# Altium PCB PCB2.PcbDoc
Units mil, origin at the board's own origin, x right, y up, seen from the top; angles counter-clockwise.
Board outline 6000 x 4000 mil, 2 copper layers (Top Layer, Bottom Layer); 18 components, 53 nets, 190 pads, 22 vias.
Unrouted connection lines stored in the file: 43.
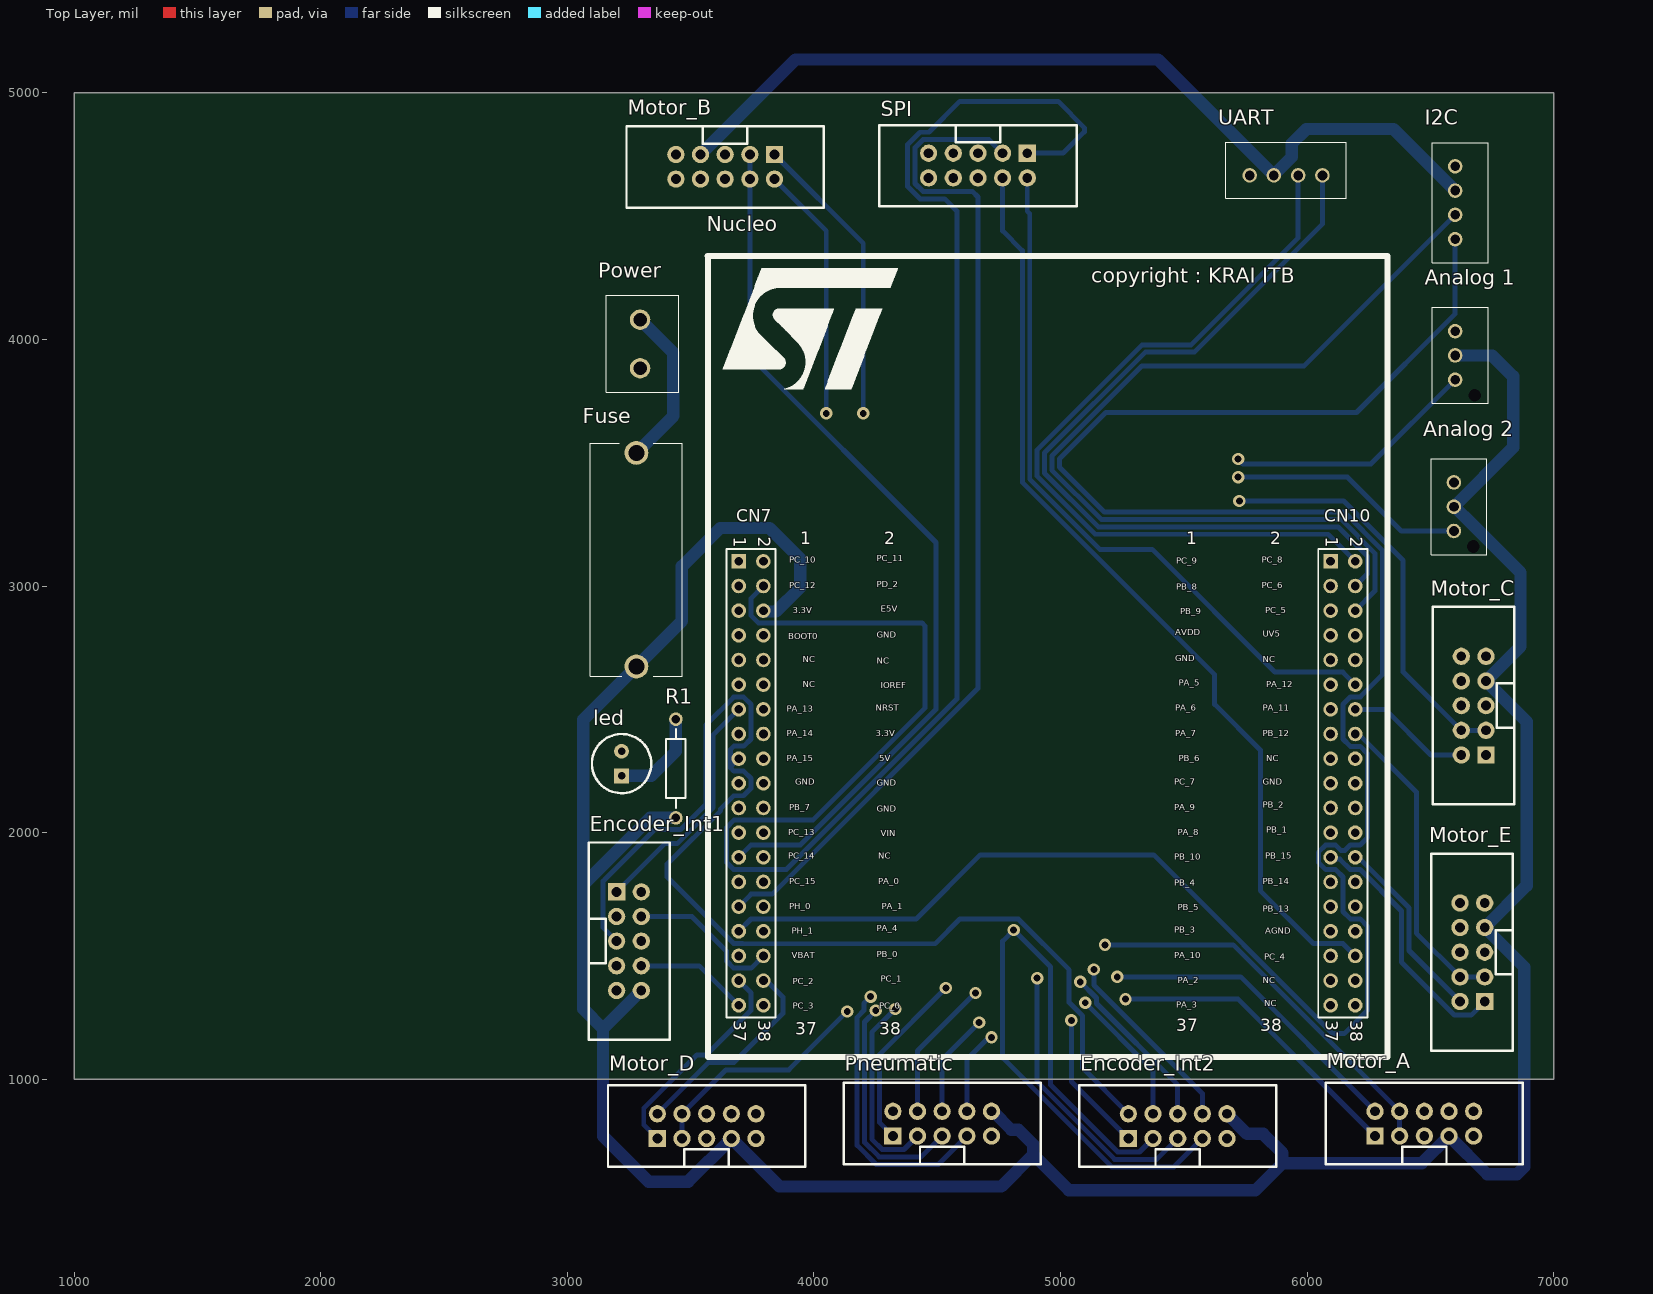
[diagram p0: Top Layer view]
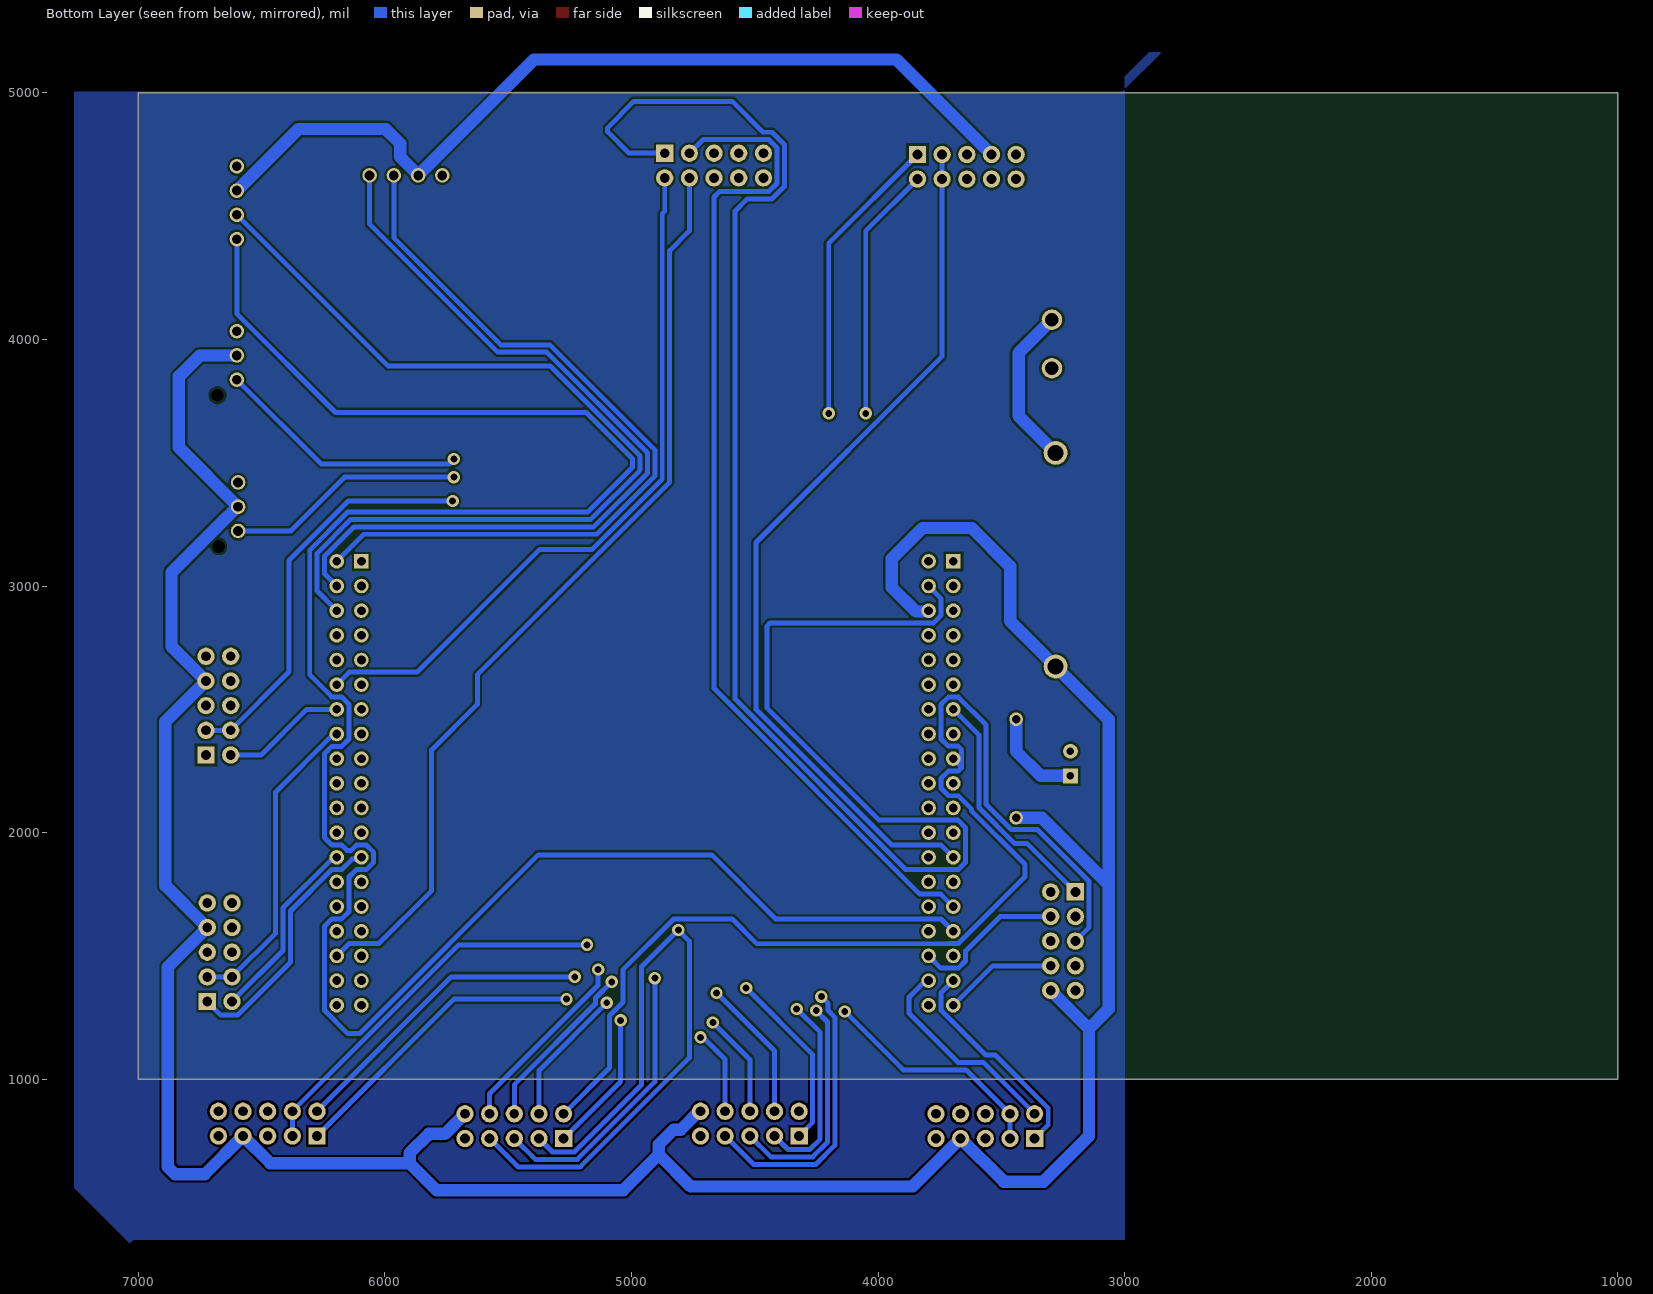
[diagram p1: Bottom Layer view, seen from below]

## Layer stack, top to bottom
Top Solder: solder mask 0.4, Solder Resist, Dk 3.5
Top Layer: signal copper 1.4
Dielectric 1: dielectric 12.6, FR-4, Dk 4.8
Bottom Layer: signal copper 1.4
Bottom Solder: solder mask 0.4, Solder Resist, Dk 3.5

## Board outline
1000,1000 7000,1000 7000,5000 1000,5000

## Design rules (kind name [scope] priority, off if disabled: settings)
Clearance [All] p1: gap=10 ignorepadtopadclearanceinfootprint=FALSE except(0: Arc-Hole Track-Hole SMDPad-Hole THPad-Hole Via-Hole Fill-Hole Poly-Hole Region-Hole Text-Hole)
PolygonConnect [All] p1: connectstyle=Relief reliefconductorwidth=10 reliefentries=4 polygonreliefangle="90 Angle" airgapwidth=10
RoomDefinition "Schematic Tugas 1_Magang 2" [InComponentClass('Schematic Tugas 1_Magang 2')] p1: confinementstyle=ConfineIn formatcopy=TRUE lockcomponents=FALSE outline 2805,270 7260,270 7260,5150 2805,5150
RoutingVias [All] p1: holewidth=28 width=50 viastyle="Through Hole" minholewidth=28 minwidth=50 maxholewidth=28 maxwidth=50
SolderMaskExpansion [All] p1: expansion=4 istentingtop=FALSE
Width [All] p1: maxlimit=50 minlimit=10 preferedwidth=20 toplayer_maxwidth=10 toplayer_prefwidth=10 minimp=50.000000 maximp=50.000000 favimp=50.000000
30 further rules are at their usual default settings.

## Components (designator, comment, footprint, x,y, rotation, side; value= is the part's Value field where it differs from the comment)
"Analog 1" "B3B-XH-AM_LF__SN_" B3BXHAMLFSN 6600,4033.43 r270 top
"Analog 2" "B3B-XH-AM_LF__SN_" B3BXHAMLFSN 6595,3420 r270 top
Encoder_Int1 "Header ISP" "Header ISP" 3100,1660 r270 top
Encoder_Int2 "Header ISP" "Header ISP" 5375,660 r0 top
Fuse "C3131" C3131 3280,2673.86 r90 top
I2C "B4B-XH-A_LF__SN_" B4BXHALFSN 6600,4701.85 r270 top
led "LED 5mm" "LED 5mm" 3220,2280 r90 top
Motor_A "Header ISP" "Header ISP" 6375,670 r0 top
Motor_B "Header ISP" "Header ISP" 3740,4850 r180 top
Motor_C "Header ISP" "Header ISP" 6825,2415 r90 top
Motor_D "Header ISP" "Header ISP" 3465,660 r0 top
Motor_E "Header ISP" "Header ISP" 6820,1415 r90 top
Nucleo "Shield Nucleo F446RE/F401RE no Pinout" "Shield Nucleo-F446RE/F401RE-tanpaPinOut" 4970,2550 r0 top
Pneumatic "Header ISP" "Header ISP" 4420,670 r0 top
Power "KF301-2P" KF3012P 3295,4080 r270 top
R1 "Resistor 0.25W" "Resistor 0.25W" 3440,2260 r90 top
SPI "Header ISP" "Header ISP" 4765,4855 r180 top
UART "B4B-XH-A_LF__SN_" B4BXHALFSN 5766.57,4665 r0 top

## Footprints (in the part's own frame and the unit in brackets; to place one, negate y for a bottom-side part, rotate by r counter-clockwise, add the part's x,y. Pads: shape width x height; smd on the part's side, far side on the other; paste and mask are expansions set on the pad)
B3BXHAMLFSN [mm]
  round 1.5 hole 1: 1(0,0) 2(2.5,0) 3(5,0)
  round 0.65 hole 1.3 unplated: 4(6.6,2)
  silkscreen extent -2.45,-2.35 7.45,3.4, body extent -2.45,-2.35 7.45,3.4, height 7.1
B4BXHALFSN [mm]
  round 1.5 hole 1: 1(0,0) 2(2.5,0) 3(5,0) 4(7.5,0)
  silkscreen extent -2.45,-2.35 9.95,3.4, body extent -2.45,-2.35 9.95,3.4, height 7.52
C3131 [mm]
  round 2.46 hole 1.64: 1(0,0) 2(22,0)
  silkscreen extent -1,-4.75 23,4.75, body extent -1,-4.75 23,4.75, height 10.6
"Header ISP" [mil]
  rect 70x70 hole 40: 1(-100,100)
  round 70 hole 40: 2(-100,200) 3(0,100) 4(0,200) 5(100,100) 6(100,200) 7(200,100) 8(200,200) 9(300,100) 10(300,200)
  silkscreen extent -300,-14 500,316, body extent -300,-20 501,334, height 365
KF3012P [mm]
  round 2.1 hole 1.4: 1(0,0) 2(5,0)
  silkscreen extent -2.5,-3.5 7.5,4, body extent -2.99,-3.35 7.51,4.15, height 10
"LED 5mm" [mil]
  rect 60x60 hole 30: 1(-50,0)
  round 60 hole 30: 2(50,0)
  silkscreen extent -120,-120 120,120, body extent -117,-118 96,118, height 268
"Resistor 0.25W" [mm]
  round 1.4 hole 0.85: 1(-5.08,0) 2(5.08,0)
  silkscreen extent -4.06,-1.02 4.06,1.02, body extent -5.35,-1.27 5.35,1.33, height 2.7
"Shield Nucleo-F446RE/F401RE-tanpaPinOut" [mm] "Tanpa pin out"
  round 1.5 hole 0.9: 3.3V(-32.385,8.89) 3V3(-29.845,-3.81) 5V(-29.845,-6.35) AGND(31.115,-24.13) AVDD(28.575,6.35) BOOT0(-32.385,6.35) E5V(-29.845,8.89) GND(-29.845,6.35) GND1(-32.385,-8.89) GND2(-29.845,-8.89) GND3(-29.845,-11.43) GND4(28.575,3.81) GND5(31.115,-8.89) IOREF(-29.845,1.27) NC1(-32.385,3.81) NC2(-32.385,1.27) NC3(-29.845,3.81) NC4(-29.845,-16.51) NC5(31.115,3.81) NC6(31.115,-6.35) NC7(31.115,-29.21) NC8(31.115,-31.75) NRST(-29.845,-1.27) PA_0(-29.845,-19.05) PA_1(-29.845,-21.59) PA_2(28.575,-29.21) PA_3(28.575,-31.75) PA_4(-29.845,-24.13) PA_5(28.575,1.27) PA_6(28.575,-1.27) PA_7(28.575,-3.81) PA_8(28.575,-13.97) PA_9(28.575,-11.43) PA_10(28.575,-26.67) PA_11(31.115,-1.27) PA_12(31.115,1.27) PA_13(-32.385,-1.27) PA_14(-32.385,-3.81) PA_15(-32.385,-6.35) PB_0(-29.845,-26.67) PB_1(31.115,-13.97) PB_2(31.115,-11.43) PB_3(28.575,-24.13) PB_4(28.575,-19.05) PB_5(28.575,-21.59) PB_6(28.575,-6.35) PB_7(-32.385,-11.43) PB_8(28.575,11.43) PB_9(28.575,8.89) PB_10(28.575,-16.51) PB_12(31.115,-3.81) PB_13(31.115,-21.59) PB_14(31.115,-19.05) PB_15(31.115,-16.51) PC_0(-29.845,-31.75) PC_1(-29.845,-29.21) PC_2(-32.385,-29.21) PC_3(-32.385,-31.75) PC_4(31.115,-26.67) PC_5(31.115,8.89) PC_6(31.115,11.43) PC_7(28.575,-8.89) PC_8(31.115,13.97) PC_11(-29.845,13.97) PC_12(-32.385,11.43) PC_13(-32.385,-13.97) PC_14(-32.385,-16.51) PC_15(-32.385,-19.05) PD_2(-29.845,11.43) PH_0(-32.385,-21.59) PH_1(-32.385,-24.13) UV5(31.115,6.35) VBAT(-32.385,-26.67) VIN(-29.845,-13.97)
  rect 1.5x1.5 hole 0.9: PC_9(28.575,13.97) PC_10(-32.385,13.97)
  Bottom Layer lines w0.254: 28.321,-13.716 28.575,-13.97
  silkscreen extent -35.59,-37.08 34.44,45.42, body extent -35.58,-36.78 34.42,47.19, height 21.99

## Part data
"Analog 1" "Analog 2": "Connector", Arrow Part Number=B3B-XH-AM(LF)(SN), Manufacturer_Name="JST (JAPAN SOLDERLESS TERMINALS)", Arrow Price/Stock=https://www.arrow.com/en/products/b3b-xh-a-m-lf-sn/jst-manufacturing?region=europe, Datasheet Link=http://www.jst-mfg.com/product/pdf/eng/eXH.pdf, Height=7mm, Manufacturer_Part_Number=B3B-XH-AM(LF)(SN)
Fuse: "Undefined or Miscellaneous", Manufacturer_Name="Xucheng Elec", Datasheet Link=https://datasheet.lcsc.com/szlcsc/XC-Elec-Shenzhen-5x20-BLX-Fuse-holder_C3131.pdf, Height=10.5mm, Manufacturer_Part_Number=C3131
I2C UART: "Connector", Arrow Part Number=B4B-XH-A(LF)(SN), Manufacturer_Name="JST (JAPAN SOLDERLESS TERMINALS)", Arrow Price/Stock=https://www.arrow.com/en/products/b4b-xh-a-lf-sn/jst-manufacturing, Datasheet Link=https://datasheet.lcsc.com/szlcsc/JST-Sales-America-B4B-XH-A-LF-SN_C144395.pdf, Height=7mm, Manufacturer_Part_Number=B4B-XH-A(LF)(SN)
Nucleo: library part "Shield Nucleo-F446RE/F401RE-tanpa Pinout", "Tanpa Pinout"
Power: "Connector", Manufacturer_Name="Handson Technology", Datasheet Link=http://www.handsontec.com/dataspecs/terminal%20block-5mm.pdf, Height=10mm, Manufacturer_Part_Number=KF301-2P

## Via types
v1: diameter 50, hole 28, Top Layer to Bottom Layer, 22 vias

## Nets (pads, with @x,y where several pads share a name; then routed paths per layer and width w, separated by ;. In a path a pad name is that pad's centre, name@x,y a point inside that pad or via, vN(x,y) a via of type N, cw(c..) or ccw(c..) an arc to the next point about the centre after c; other vN are vias at no path point)
5V: "Analog 1.2" "Analog 2.2" Encoder_Int1.10 Encoder_Int2.10 Fuse.1 I2C.2 Motor_A.7 Motor_B.7 Motor_C.7 Motor_D.7 Motor_E.7 Nucleo.E5V Pneumatic.10 R1.1 UART.2 | length 16543.6
  Bottom Layer w50: Encoder_Int1.10 3145,1205 ; R1.1 3335,2060 3065,1790 ; Motor_B.7 3925,5135 5395,5135 UART.2 5865,4667.45 5937.44,4739.89 5937.44,4794.29 5996.57,4853.43 6350,4853.43 I2C.2 ; Nucleo.E5V@3795,2895.82 3797.45,2898.27 3803.14,2898.27 3804.99,2896.41 3846.41,2896.41 3945,2995 3945,3110 3820,3235 3620,3235 3464.48,3079.48 3464.48,2858.34 Fuse.1 3065,2458.86 3065,1790 ; Pneumatic.10 4725.41,870 4799.95,795.46 4829.54,795.46 4889.29,735.71 4889.29,694.29 ; Encoder_Int2.10 5756.56,778.44 5821.56,778.44 5899.29,700.71 5899.29,659.29 ; 6600,3935 6750,3935 6835,3850 6835,3561.57 6595,3321.57 6597.45,3321.57 6669.89,3249.13 6670.45,3249.13 6865,3054.59 6865,2755 Motor_C.7 6890,2450 6890,1785 Motor_E.7 6880,1455 6880,644.29 6850.71,615 6730,615 Motor_A.7 6464.29,659.29 5899.29,659.29 ; 3065,1790 3065,1285 3145,1205 ; 3145,1205 3145,769.29 3329.29,585 3490,585 Motor_D.7 3860,565 4760,565 4889.29,694.29 ; 4889.29,694.29 5033.58,550 5790,550 5899.29,659.29
Fuse: Fuse.2 Power.1 | length 658.1
  Bottom Layer w50: Fuse.2 3430,3690 3430,3945 Power.1
GND: "Analog 1.1" "Analog 2.1" Encoder_Int1.9 Encoder_Int2.9 I2C.1 led.2 Motor_A.8 Motor_B.8 Motor_C.8 Motor_D.8 Motor_E.8 Nucleo.GND2 Nucleo.GND3 Pneumatic.9 Power.2 SPI.5 UART.1
Netled_1: led.1 R1.2 | length 391.4
  Bottom Layer w50: led.1 3340,2230 3440,2330 R1.2
PA_0: "Analog 2.3" Nucleo.PA_0 | length 965.4
  Bottom Layer w20: v1(5720,3441.38) 6163.62,3441.38 6381.85,3223.15 6595,3223.15
PA_1: "Analog 1.3" Nucleo.PA_1 | length 1029.8
  Bottom Layer w20: v1(5720,3515) 5740,3495 6258.43,3495 6600,3836.57
PA_4: Nucleo.PA_4 Pneumatic.5 | length 927.9
  Bottom Layer w20: v1(4250.5,1278.61) 4250.5,1277.7 4205,1232.19 4205,744.29 4264.29,685 4435,685 Pneumatic.5
PA_5: Nucleo.PA_5 Pneumatic.6 | length 422.1
  Bottom Layer w20: Pneumatic.6 4520,1080 v1(4670,1230)
PA_6: Nucleo.PA_6 Pneumatic.4 | length 577.3
  Bottom Layer w20: Pneumatic.4 4420,1115 v1(4655,1350)
PA_7: Nucleo.PA_7 Pneumatic.8 | length 347.3
  Bottom Layer w20: Pneumatic.8 4620,1080 4710,1170 v1(4720,1170)
PA_8: Nucleo.PA_8
PA_9: Motor_A.1 Nucleo.PA_9 | length 1241.2
  Bottom Layer w20: v1(5263.64,1325) 5720,1325 Motor_A.1
PA_10: Encoder_Int2.1 Nucleo.PA_10 | length 574.6
  Bottom Layer w20: v1(5043.86,1238.86) 5043.86,991.14 Encoder_Int2.1
PA_11: Motor_C.2 Nucleo.PA_11 | length 506.6
  Bottom Layer w20: Nucleo.PA_11 6316.02,2500 6501.02,2315 Motor_C.2
PA_12: Nucleo.PA_12 SPI.2 | length 2891.3
  Bottom Layer w20: SPI.2 4865,4520 4875,4510 4875,3432.87 5158.93,3148.93 5371.07,3148.93 5869.53,2650.47 6144.53,2650.47 Nucleo.PA_12
PA_13: Encoder_Int1.1 Nucleo.PA_13 | length 974.1
  Bottom Layer w20: Encoder_Int1.1 3395.39,1955.39 3445.08,1955.39 3591.58,2101.89 3591.58,2396.58 Nucleo.PA_13
PA_14: Nucleo.PA_14
PA_15: Encoder_Int1.5 Encoder_Int2.2 Nucleo.PA_15 | length 4953.7
  Bottom Layer w20: Encoder_Int1.5 3145,1615 3145,1803.28 3156.72,1815 3354.16,2012.44 3459.7,2012.44 3561.58,2114.32 3561.58,2436.62 3674.49,2549.53 3715.51,2549.53 3744.53,2520.51 3744.53,2379.49 3715.51,2350.47 3675.43,2350.47 3662.53,2337.57 3662.53,2267.53 ; Nucleo.PA_15 3662.53,2267.53 ; Encoder_Int2.2 5088.86,1046.14 5088.86,1257.5 5035,1311.36 5035,1443.64 4828.64,1650 4591.82,1650 4491.35,1549.53 3710.47,1549.53 3709.53,1550.47 3674.49,1550.47 3404.34,1820.62 3404.34,1872.23 3621.58,2089.47 3621.58,2096.62 3674.49,2149.53 3714.57,2149.53 3744.53,2179.49 3744.53,2220.51 3715.51,2249.53 3675.43,2249.53 3662.53,2262.43 3662.53,2267.53
PB_0: Encoder_Int1.4 Nucleo.PB_0 | length 625.8
  Bottom Layer w20: Encoder_Int1.4 3505,1660 3645.47,1519.53 3645.47,1479.48 3674.49,1450.47 3745.47,1450.47 Nucleo.PB_0
PB_1: Nucleo.PB_1
PB_2: Motor_A.3 Motor_A.4 Nucleo.PB_2 | length 1574.6
  Bottom Layer w20: v1(5180,1545) 5700,1545 Motor_A.4 Motor_A.3
PB_3: Encoder_Int2.8 Nucleo.PB_3 | length 767.3
  Bottom Layer w20: v1(5135,1445) 5135,1382.43 5575,942.43 Encoder_Int2.8
PB_4: Encoder_Int2.4 Nucleo.PB_4 | length 563.9
  Bottom Layer w20: v1(5100,1310) 5375,1035 Encoder_Int2.4
PB_5: Encoder_Int2.6 Nucleo.PB_5 | length 698.6
  Bottom Layer w20: v1(5080,1395) 5145.53,1329.47 5145.53,1306.89 5475,977.43 Encoder_Int2.6
PB_6: Motor_B.1 Nucleo.PB_6 | length 1199.1
  Bottom Layer w20: Motor_B.1 4200,4390 v1(4200,3700)
PB_7: Nucleo.PB_7 Pneumatic.7 | length 1150.4
  Bottom Layer w20: v1(4230,1335) 4202.5,1307.5 4202.5,1278.86 4175,1251.36 4175,731.86 4251.86,655 4505,655 Pneumatic.7
PB_8: Nucleo.PB_8 Pneumatic.3 | length 792.7
  Bottom Layer w20: v1(4330,1285) 4235,1190 4235,756.72 4276.72,715 4365,715 Pneumatic.3
PB_9: Nucleo.PB_9 Pneumatic.1 | length 734.6
  Bottom Layer w20: Pneumatic.1 4265,825 4265,1100 v1(4535,1370)
PB_10: Motor_E.1 Nucleo.PB_10 | length 1034.6
  Bottom Layer w20: Nucleo.PB_10 6102.47,1892.53 6132.43,1892.53 6174.48,1850.47 6214.57,1850.47 6382.69,1682.36 6382.69,1474.53 6597.22,1260 6665,1260 Motor_E.1
PB_11: Encoder_Int1.7
PB_12: Motor_E.3 Motor_E.4 Nucleo.PB_12 | length 1268.3
  Bottom Layer w20: Nucleo.PB_12 6202.47,2392.53 6214.94,2392.53 6442.69,2164.78 6442.69,1592.31 Motor_E.4 Motor_E.3
PB_13: Encoder_Int2.5 Nucleo.PB_13 | length 1156.1
  Bottom Layer w20: v1(4905,1410) 4905,989.29 5219.29,675 5390,675 Encoder_Int2.5
PB_14: Encoder_Int2.3 Encoder_Int2.7 Nucleo.PB_14 | length 2818.2
  Bottom Layer w20: Encoder_Int2.3 5320,705 5231.72,705 4960,976.72 4960,1455 v1(4810,1605) 4765,1560 4765,1086.86 5206.86,645 5460,645 Encoder_Int2.7
PB_15: Motor_E.2 Nucleo.PB_15 | length 768.3
  Bottom Layer w20: Nucleo.PB_15 6202.47,1892.53 6214.94,1892.53 6412.69,1694.78 6412.69,1522.31 Motor_E.2
PC_0: Motor_C.1 Nucleo.PC_0
PC_1: Motor_D.2 Nucleo.PC_1 | length 851.3
  Bottom Layer w20: Motor_D.2 3573.31,1068.31 3675.78,1068.31 3874.53,1267.06 3874.53,1332.94 3814.94,1392.53 3802.47,1392.53 Nucleo.PC_1
PC_2: Motor_D.1 Nucleo.PC_2 | length 885.4
  Bottom Layer w20: Motor_D.1 3310,815 3310,882.78 3525.53,1098.31 3563.36,1098.31 3744.53,1279.48 3744.53,1350.47 Nucleo.PC_2
PC_3: Encoder_Int1.8 Nucleo.PC_3 | length 461.3
  Bottom Layer w20: Encoder_Int1.8 3535,1460 Nucleo.PC_3
PC_4: Nucleo.PC_4 SPI.4 | length 3817.6
  Bottom Layer w20: SPI.4 4765,4440 4845,4360 4845,3420.44 5625,2640.44 5625,2520 5810,2335 5810,1765 6024.53,1550.47 6144.53,1550.47 Nucleo.PC_4
PC_5: I2C.3 Nucleo.PC_5 | length 3812.3
  Bottom Layer w20: Nucleo.PC_5 6274.53,2979.53 6274.53,3132.94 6137.47,3270 5165.15,3270 4965,3470.15 4965,3527.43 5330,3892.43 5987.43,3892.43 I2C.3
PC_6: Nucleo.PC_6 UART.4 | length 3380.9
  Bottom Layer w20: UART.4 6061.85,4467.57 5542.42,3948.14 5343.29,3948.14 4935,3539.85 4935,3457.72 5152.72,3240 6125.04,3240 6244.53,3120.51 6244.53,3049.53 Nucleo.PC_6
PC_7: Motor_A.2 Nucleo.PC_7 | length 1270.7
  Bottom Layer w20: v1(5230,1415) 5730,1415 Motor_A.2
PC_8: Nucleo.PC_8 UART.3 | length 3207.8
  Bottom Layer w20: UART.3 5963.43,4411.57 5529.99,3978.14 5330.86,3978.14 4905,3552.28 4905,3445.29 5140.29,3210 6085,3210 Nucleo.PC_8
PC_9: Encoder_Int1.2 Nucleo.PC_9
PC_10: Motor_C.3 Motor_C.4 Nucleo.PC_10 | length 1650.2
  Bottom Layer w20: v1(5725,3345) 6147.32,3345 6388.88,3103.44 6388.88,2651.12 Motor_C.4 Motor_C.3
PC_11: Motor_B.2 Nucleo.PC_11 | length 1037
  Bottom Layer w20: Motor_B.2 4050,4440 v1(4050,3700)
PC_12: Encoder_Int1.3 Nucleo.PC_12
PC_13: Motor_D.3 Motor_D.4 Nucleo.PC_13 | length 941.9
  Bottom Layer w20: Motor_D.3 Motor_D.4 3643.31,1038.31 3898.31,1038.31 v1(4135,1275)
PC_14: Motor_B.3 Motor_B.4 Nucleo.PC_14 | length 3611.3
  Bottom Layer w20: Nucleo.PC_14 3745.47,1950.47 3945.47,1950.47 4495,2500 4495,3176.42 3740,3931.42 Motor_B.4 Motor_B.3
PC_15: Encoder_Int1.6 Nucleo.PC_15
PD_2: Nucleo.PD_2 SPI.1 | length 7082.2
  Bottom Layer w20: Nucleo.PD_2 3745.47,2950.47 3745.47,2879.49 3774.49,2850.47 4438.28,2850.47 4450,2838.76 4450,2505 3995.47,2050.47 3675.43,2050.47 3645.47,2020.52 3645.47,1879.48 3674.49,1850.47 3887.9,1850.47 4580,2542.57 4580,4519.79 4529.79,4570 4429.79,4570 4380,4619.79 4380,4790.21 4429.79,4840 4466.72,4840 4591.72,4965 4990,4965 5096.72,4858.28 5096.72,4841.72 5010,4755 SPI.1
PH_0: Nucleo.PH_0 SPI.3 | length 4143.2
  Bottom Layer w20: Nucleo.PH_0 3745.47,1750.47 3830.33,1750.47 4665,2585.15 4665,4577.22 4642.22,4600 4442.22,4600 4410,4632.22 4410,4777.78 4442.22,4810 4542.22,4810 4710,4810 SPI.3
PH_1: I2C.4 Nucleo.PH_1 | length 8982.1
  Bottom Layer w20: Nucleo.PH_1 3744.53,1649.53 4414.53,1649.53 4675,1910 5377.43,1910 6102.43,1185 6150.04,1185 6244.53,1279.48 6244.53,1620.52 6214.92,1650.12 6174.84,1650.12 6145.18,1679.78 6145.18,1819.87 6115.37,1849.68 6075.28,1849.68 6045.47,1879.48 6045.47,1920.52 6074.48,1949.53 6115.52,1949.53 6136.72,1928.33 6153.28,1928.33 6174.96,1950 6215.04,1950 6244.53,1979.48 6244.53,2320.51 6215.04,2350 6174.96,2350 6145.47,2379.49 6145.47,2520.51 6175.43,2550.47 6215.52,2550.47 6304.53,2639.49 6304.53,3145.37 6149.9,3300 5177.57,3300 4995,3482.57 4995,3515 5183.58,3703.58 6200.11,3703.58 6600,4103.47 I2C.4
pads on no net: "Analog 1.4" "Analog 2.4" Motor_A.5 Motor_A.6 Motor_A.9 Motor_A.10 Motor_B.5 Motor_B.6 Motor_B.9 Motor_B.10 Motor_C.5 Motor_C.6 Motor_C.9 Motor_C.10 Motor_D.5 Motor_D.6 Motor_D.9 Motor_D.10 Motor_E.5 Motor_E.6 Motor_E.9 Motor_E.10 Nucleo.3.3V Nucleo.3V3 Nucleo.5V Nucleo.AGND Nucleo.AVDD Nucleo.BOOT0 Nucleo.GND Nucleo.GND1 Nucleo.GND4 Nucleo.GND5 Nucleo.IOREF Nucleo.NC1 Nucleo.NC2 Nucleo.NC3 Nucleo.NC4 Nucleo.NC5 Nucleo.NC6 Nucleo.NC7 Nucleo.NC8 Nucleo.NRST Nucleo.PA_2 Nucleo.PA_3 Nucleo.UV5 Nucleo.VBAT Nucleo.VIN Pneumatic.2 SPI.6 SPI.7 SPI.8 SPI.9 SPI.10

## Polygon pours and split planes (outlines as drawn)
no net on Bottom Layer "NONET_L02_P000" (solid, pour order 0): 2850,5165 3015,5000 7260,5000 7260,560 7035,335 7020,350 3000,350 3000,5065 2900,5165 2850,5165 2850,5115 2855,5110 2860,5115 2860,5140

## Text inside footprints (layer, text, board x,y; h text height)
Nucleo: Top Overlay "CN10" at 6070,3260 h50; Top Overlay "CN7" at 3685,3260 h50; Top Overlay "38" at 5810,1195 h50; Top Overlay "37" at 5470,1195 h50; Top Overlay "37" at 3925,1180 h50; Top Overlay "38" at 4265,1180 h50; Top Overlay "1" at 5510,3170 h50; Top Overlay "2" at 5850,3170 h50; Top Overlay "2" at 4285,3170 h50; Top Overlay "PB_2" at 5820,2100 h25; Top Overlay "PA_3" at 5470,1290 h25; Top Overlay "PC_4" at 5825,1485 h25; Top Overlay "NC" at 5820,1390 h25; Top Overlay "NC" at 5825,1295 h25; Top Overlay "PB_14" at 5820,1790 h25; Top Overlay "PB_13" at 5820,1680 h25; Top Overlay "AGND" at 5830,1590 h25; Top Overlay "GND" at 5820,2195 h25; Top Overlay "PB_1" at 5835,2000 h25; Top Overlay "PB_15" at 5830,1895 h25; Top Overlay "PA_11" at 5820,2495 h25; Top Overlay "PB_12" at 5820,2390 h25; Top Overlay "NC" at 5835,2290 h25; Top Overlay "UV5" at 5820,2795 h25; Top Overlay "NC" at 5820,2690 h25; Top Overlay "PA_12" at 5835,2590 h25; Top Overlay "PC_8" at 5815,3095 h25; Top Overlay "PC_6" at 5815,2990 h25; Top Overlay "PC_5" at 5830,2890 h25; Top Overlay "PB_3" at 5460,1595 h25; Top Overlay "PA_10" at 5460,1490 h25; Top Overlay "PA_2" at 5475,1390 h25; Top Overlay "PB_10" at 5460,1890 h25; Top Overlay "PB_4" at 5460,1785 h25; Top Overlay "PB_5" at 5475,1685 h25; Top Overlay "PC_7" at 5460,2195 h25; Top Overlay "PA_9" at 5460,2090 h25; Top Overlay "PA_8" at 5475,1990 h25; Top Overlay "PA_6" at 5465,2495 h25; Top Overlay "PA_7" at 5465,2390 h25; Top Overlay "PB_6" at 5480,2290 h25; Top Overlay "AVDD" at 5465,2800 h25; Top Overlay "GND" at 5465,2695 h25; Top Overlay "PA_5" at 5480,2595 h25; Top Overlay "PC_9" at 5470,3090 h25; Top Overlay "PB_8" at 5470,2985 h25; Top Overlay "PB_9" at 5485,2885 h25; Top Overlay "PC_0" at 4265,1285 h25; Top Overlay "PA_4" at 4255,1600 h25; Top Overlay "PB_0" at 4255,1495 h25; Top Overlay "PC_1" at 4270,1395 h25; Top Overlay "NC" at 4260,1895 h25; Top Overlay "PA_0" at 4260,1790 h25; Top Overlay "PA_1" at 4275,1690 h25; Top Overlay "GND" at 4255,2190 h25; Top Overlay "GND" at 4255,2085 h25; Top Overlay "VIN" at 4270,1985 h25; Top Overlay "NRST" at 4250,2495 h25; Top Overlay "3.3V" at 4250,2390 h25; Top Overlay "5V" at 4265,2290 h25; Top Overlay "GND" at 4255,2790 h25; Top Overlay "NC" at 4255,2685 h25; Top Overlay "IOREF" at 4270,2585 h25; Top Overlay "PC_11" at 4255,3100 h25; Top Overlay "PD_2" at 4255,2995 h25; Top Overlay "E5V" at 4270,2895 h25; Top Overlay "PC_3" at 3915,1285 h25; Top Overlay "PC_2" at 3915,1385 h25; Top Overlay "VBAT" at 3910,1490 h25; Top Overlay "PH_1" at 3910,1590 h25; Top Overlay "PH_0" at 3900,1690 h25; Top Overlay "PC_15" at 3900,1790 h25; Top Overlay "PC_14" at 3895,1895 h25; Top Overlay "PC_13" at 3895,1990 h25; Top Overlay "PB_7" at 3900,2090 h25; Top Overlay "GND" at 3925,2195 h25; Top Overlay "PA_15" at 3890,2290 h25; Top Overlay "PA_14" at 3890,2390 h25; Top Overlay "PA_13" at 3890,2490 h25; Top Overlay "NC" at 3955,2590 h25; Top Overlay "NC" at 3955,2690 h25; Top Overlay "BOOT0" at 3895,2785 h25; Top Overlay "3.3V" at 3915,2890 h25; Top Overlay "PC_12" at 3900,2990 h25; Top Overlay "PC_10" at 3900,3095 h25; Top Overlay "38" at 6175,1240 h50 r270; Top Overlay "37" at 6075,1240 h50 r270; Top Overlay "1" at 6075,3200 h50 r270; Top Overlay "2" at 6175,3200 h50 r270; Top Overlay "1" at 3945,3170 h50; Top Overlay "38" at 3775,1240 h50 r270; Top Overlay "37" at 3675,1240 h50 r270; Top Overlay "1" at 3675,3200 h50 r270; Top Overlay "2" at 3775,3200 h50 r270; Top Overlay "copyright : KRAI ITB" at 5125,4230 h60